# KiCad board AsicsBoard - 16xBM1368 - 01A.kicad_pcb (continued)
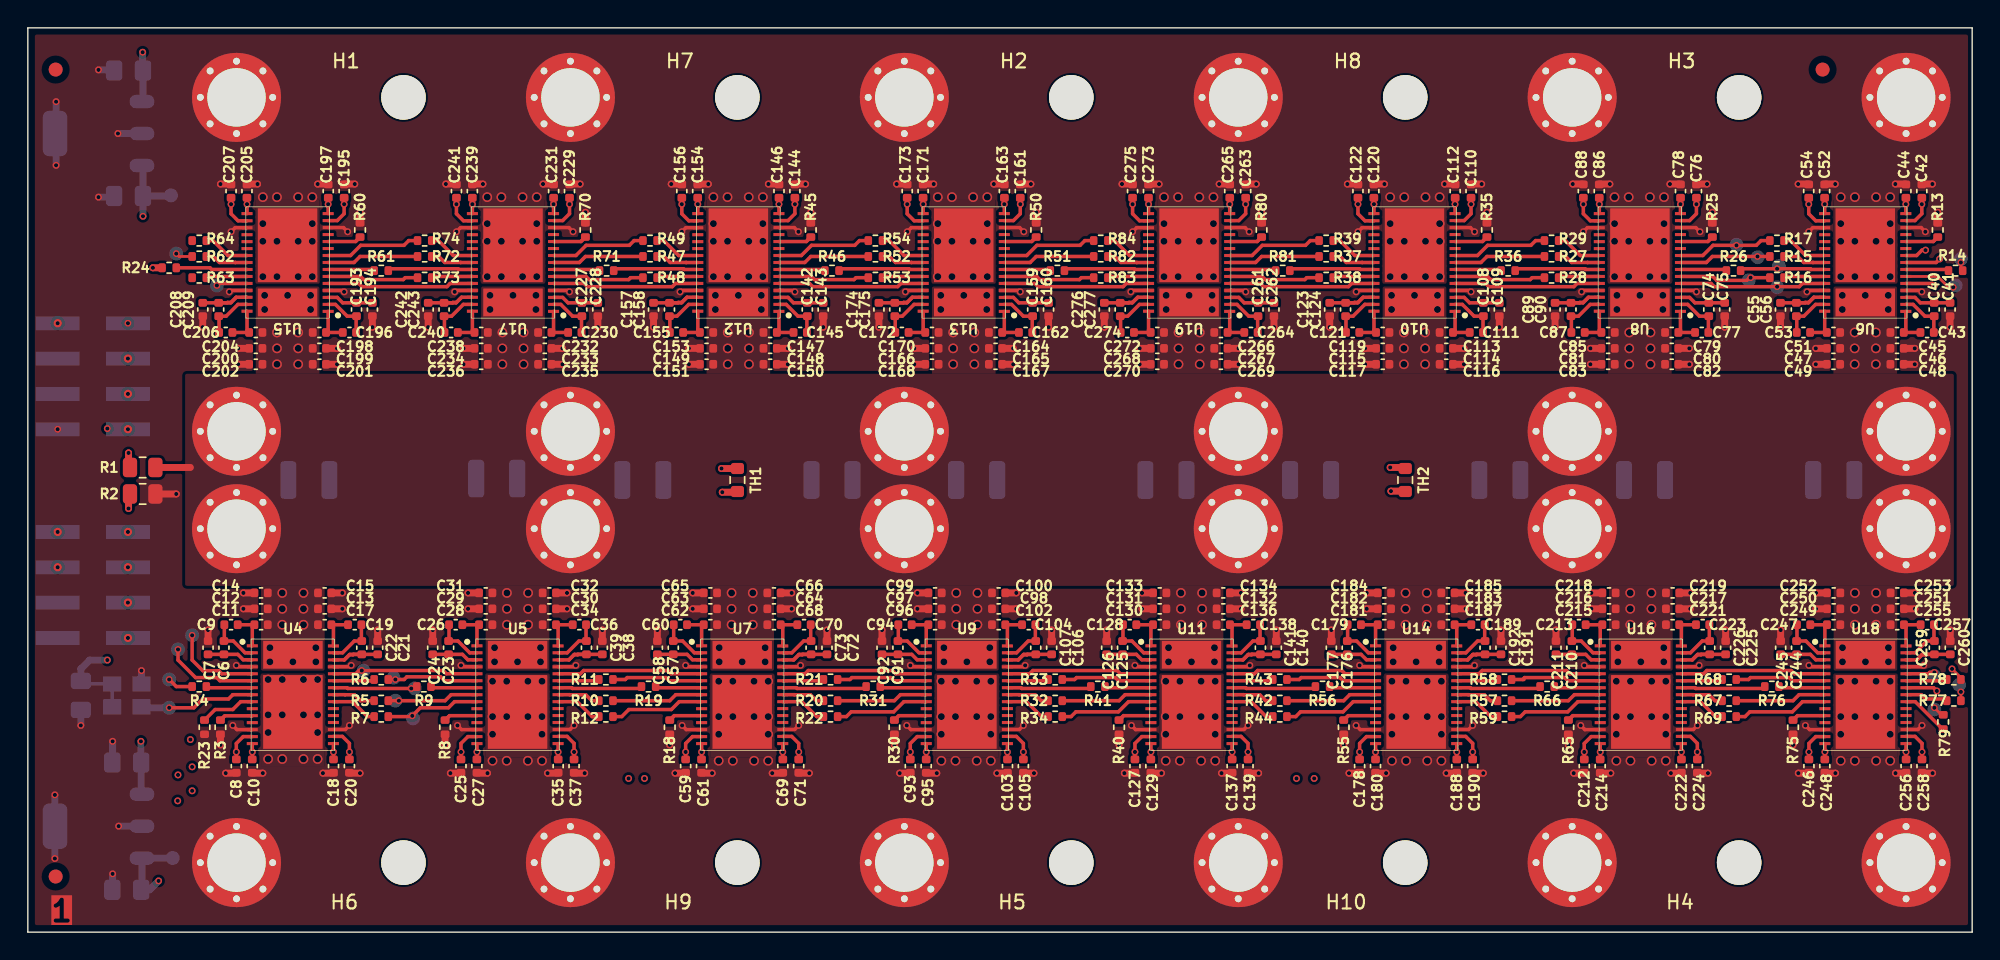
[diagram p0: board, top side]
## Copper pours and planes (outline as drawn; the poured copper is in the pictures) (continued)

## Text on the board
Top: 1
F.Mask: ASICboard 16xBM1368 - 01A | EKO_Miner Phil31 2024.11
In1.Cu: 2
In2.Cu: 3
In3.Cu: 4
In4.Cu: 5
